# KiCad board st225_20427.kicad_pcb (continued)
## Routing (per net, layer and track width the routed paths; a pad name or vN(x,y) marks a point on that pad's centre or on a via; arc(x,y) is an arc through that point) (continued)
P1.4: length 125.2
  Top w0.254: U1.6 11.93,78.87 10.41,78.87 v1(10.16,79.12) ; v1(59.94,117.6) 58.17,119.38 U21.23
  Bottom w0.254: v1(59.94,117.6) 61.34,119 61.85,119 64.13,116.71 64.13,109.35 51.18,96.39 51.18,65.53 50.55,64.9 25.78,64.9 23.88,62.99 13.08,62.99 11.43,64.64 11.43,77.85 v1(10.16,79.12)
P1.5: length 212.1
  Top w0.254: v1(14.73,18.67) 10.8,14.74 J9.5 ; U21.22 58.8,120.65 v1(59.94,119.51) ; v1(6.35,63.75) 7.37,64.77 7.37,69.6 8,70.23 8,75.95 9.02,76.96 U1.7 ; v1(6.98,38.35) v1(3.43,40.77)
  Bottom w0.254: v1(3.43,40.77) 1.52,42.67 1.52,46.86 3.94,49.28 3.94,61.34 v1(6.35,63.75) ; v1(14.73,18.67) 14.1,19.3 14.1,20.07 12.7,21.46 12.7,23.5 14.99,25.78 14.99,28.19 11.18,32 11.18,33.66 6.98,37.85 v1(6.98,38.35) 5.59,39.75 5.59,44.2 7.37,45.97 7.37,48.51 9.14,50.29 9.14,53.59 10.92,55.37 10.92,61.47 11.68,62.23 24.13,62.23 26.16,64.26 51.31,64.26 51.69,64.64 51.69,95.63 64.64,108.59 64.64,116.97 62.1,119.51 v1(59.94,119.51)
P1.6: length 211.2
  Top w0.254: v1(8.38,39.62) v1(3.43,42.67) ; v1(6.35,61.85) 7.87,63.37 7.87,68.83 8.64,69.6 8.64,74.93 9.4,75.69 U1.8 ; v1(16.64,18.54) 16.38,18.54 12.94,15.1 J9.3 ; v1(60.83,120.78) 59.56,120.78 58.42,121.92 U21.21
  Bottom w0.254: v1(60.83,120.78) 61.47,120.78 65.28,116.97 65.28,108.46 52.2,95.38 52.2,64.01 51.82,63.63 26.42,63.63 24.38,61.59 12.19,61.59 11.56,60.96 11.56,55.12 9.58,53.14 9.58,50.11 9.65,50.04 7.87,48.26 7.87,45.34 6.35,43.82 6.35,41.66 v1(8.38,39.62) 8.38,38.61 11.94,35.05 11.94,32.13 15.49,28.58 15.49,25.65 13.34,23.5 13.34,22.1 14.6,20.83 14.6,20.32 16.38,18.54 v1(16.64,18.54) ; v1(3.43,42.67) 2.03,44.07 2.03,46.48 4.45,48.9 4.45,59.94 v1(6.35,61.85)
P1.7: length 208.6
  Top w0.254: U21.20 58.8,123.19 v1(59.94,122.05) ; v1(8.38,41.4) v1(3.43,44.58) ; J9.1 18.54,17.8 v1(18.54,19.18) ; U1.9 9.78,74.42 9.27,73.91 9.27,69.09 8.38,68.2 8.38,61.98 v1(6.35,59.94)
  Bottom w0.254: v1(59.94,122.05) 60.96,122.05 65.79,117.22 65.79,107.95 52.71,94.87 52.71,63.5 52.32,63.12 26.67,63.12 24.51,60.96 12.57,60.96 12.06,60.45 12.06,54.74 10.16,52.83 10.16,49.91 8.51,48.26 8.51,44.96 7.11,43.56 7.11,42.67 v1(8.38,41.4) 11.05,38.74 11.05,36.83 12.57,35.31 12.57,32.26 16,28.83 16,25.27 13.97,23.24 13.97,22.61 15.37,21.21 15.37,20.45 16,19.81 17.91,19.81 v1(18.54,19.18) ; v1(6.35,59.94) 5.21,58.8 5.21,48.77 3.43,46.99 v1(3.43,44.58)
RDREFCLK: length 178.1
  Top w0.254: U5.30 19.69,39.75 v1(19.94,39.5) ; v1(105.54,122.05) 105.54,122.17 104.14,123.57 U8.21 ; v1(91.44,46.48) 91.44,57.53 v1(91.69,57.79)
  Bottom w0.254: v1(91.44,46.48) 91.06,46.86 80.77,46.86 78.61,44.7 52.71,44.7 50.16,47.24 46.99,47.24 42.93,51.31 33.02,51.31 30.35,53.98 26.42,53.98 20.95,48.51 20.95,42.04 19.94,41.02 v1(19.94,39.5) ; v1(91.69,57.79) 91.69,84.71 91.06,85.34 91.06,89.54 89.53,91.06 89.53,96.65 88.26,97.92 88.26,104.14 93.73,109.6 93.73,112.4 103.38,122.05 v1(105.54,122.05)
RGATE2: length 196.5
  Top w0.254: v1(104.39,130.3) 103.76,129.67 103.76,128.91 103.5,128.65 U8.25 ; v1(57.4,51.44) 57.28,51.56 v1(57.28,56.13) ; U26.1 v1(120.27,124.46) ; U5.15 v1(20.95,55.5)
  Bottom w0.254: 101.98,130.81 101.98,128.02 100.08,126.11 100.08,124.97 100.58,124.46 106.43,124.46 108.58,122.3 115.32,122.3 117.47,124.46 v1(120.27,124.46) ; 101.98,130.81 103.89,130.81 v1(104.39,130.3) ; 101.98,130.81 94.36,130.81 93.85,130.3 93.85,127.76 96.39,125.22 96.39,119.13 90.81,113.54 90.81,111.76 90.42,111.38 79.88,111.38 79.38,111.89 74.04,111.89 73.03,112.9 71.37,112.9 68.58,110.11 68.58,108.2 59.05,98.68 59.05,95.63 56.51,93.09 56.51,56.9 v1(57.28,56.13) ; v1(57.4,51.44) 56.26,51.44 54.86,52.83 47.37,52.83 44.45,55.75 34.16,55.75 32,57.91 23.37,57.91 v1(20.95,55.5)
RPULL: length 24.5
  Top w0.254: 21.97,131.44 21.84,131.32 20.95,131.32 20.7,131.06 U24.1 19.39,128.44 v1(18.8,129.03) ; 21.97,131.44 22.1,131.32 24.51,131.32 ; 21.97,131.44 U24.13 ; 24.51,131.32 U24.4 ; 24.51,131.32 26.54,131.32 28.19,129.67 29.08,129.67 29.72,129.03 29.72,125.98 30.51,125.2 R25.1
WCURR0: length 69.2
  Top w0.254: v1(49.15,108.46) 48.01,107.32 42.16,107.32 41.27,108.2 U4.9 ; v1(67.69,144.78) 67.82,144.65 70.87,144.65 71.37,145.16 U22.13
  Bottom w0.254: v1(49.15,108.46) 49.15,109.09 45.47,112.78 45.47,113.92 49.28,117.73 49.28,122.68 49.78,123.19 49.78,136.78 50.42,137.41 57.79,137.41 60.83,140.46 64.01,140.46 67.69,144.15 v1(67.69,144.78)
WCURR1: length 153.4
  Top w0.254: U4.19 28.96,99.31 22.86,105.41 21.59,105.41 20.95,104.78 v1(19.43,104.78) ; v1(80.39,141.61) 80.9,141.1 80.9,137.92 81.28,137.54 82.3,137.54 ; v1(33.66,111.12) 33.78,111.25 35.81,111.25 36.45,111.89 36.45,112.78 37.46,113.79 38.35,113.79 38.68,113.46 40.94,113.46 43.31,115.82 v1(50.42,115.82)
  Bottom w0.254: v1(33.66,111.12) 33.02,111.12 28.83,106.93 26.92,106.93 26.03,107.82 19.81,107.82 19.43,107.44 v1(19.43,104.78) ; v1(50.42,115.82) 49.91,116.33 49.91,122.3 50.29,122.68 50.29,136.27 50.8,136.78 53.34,136.78 57.28,132.84 57.28,130.43 56.77,129.92 56.77,129.03 57.28,128.52 64.26,128.52 65.02,129.29 65.02,132.21 63.75,133.48 63.75,136.4 72.95,145.59 72.95,154.23 74.55,155.83 75.95,155.83 76.58,155.19 76.58,147.96 77.72,146.81 77.72,144.02 76.2,142.49 76.2,141.35 76.58,140.97 79.76,140.97 v1(80.39,141.61)
WGATE2: length 275
  Top w0.254: v1(59.18,56.13) 59.31,56.01 v1(59.31,51.44) ; v1(54.48,116.46) 54.48,113.28 53.72,112.52 53.72,109.22 53.09,108.59 53.09,107.7 53.98,106.81 54.86,106.81 55.37,107.32 71.63,107.32 71.88,107.06 73.41,107.06 73.79,107.44 73.79,108.97 72.64,110.11 v1(72.64,111.25) ; v1(39.88,135.25) 38.61,136.53 36.45,136.53 35.31,137.67 33.78,137.67 33.4,137.29 33.4,135.76 34.67,134.49 U13.12 ; v1(19.05,55.63) 19.69,56.26 U5.16 ; v1(51.82,120.65) 50.93,121.54 v1(44.07,121.54) ; v1(123.32,123.32) 125.86,125.86 U25.13 ; U8.27 100.33,128.65 v1(100.58,128.4)
  Bottom w0.254: v1(19.05,55.63) 21.97,58.55 32.13,58.55 34.42,56.26 45.34,56.26 48.01,53.59 54.86,53.59 55.75,52.71 58.04,52.71 v1(59.31,51.44) ; v1(123.32,123.32) 119.63,123.32 119.13,123.83 117.73,123.83 115.57,121.67 108.46,121.67 106.3,123.83 100.2,123.83 99.57,124.46 99.57,127.38 v1(100.58,128.4) 100.33,128.4 98.42,130.3 95.12,130.3 94.49,129.67 94.49,127.89 97.03,125.35 97.03,119 91.39,113.36 91.39,111.51 90.5,110.62 79.88,110.62 79.25,111.25 v1(72.64,111.25) 70.74,111.25 69.34,109.86 69.34,108.08 59.82,98.55 59.82,95.38 57.28,92.84 57.28,58.04 v1(59.18,56.13) ; v1(54.48,116.46) 54.48,117.98 v1(51.82,120.65) ; v1(44.07,121.54) 44.07,128.14 42.93,129.29 42.93,132.21 v1(39.88,135.25)
WRITE_OK: length 100.1
  Top w0.254: v1(115.82,166.37) 116.2,166.37 117.86,164.71 118.59,164.71 119.38,165.5 U33.10 ; v1(68.96,120.65) 68.96,118.62 70.74,116.84 U21.43
  Bottom w0.254: v1(115.82,166.37) 115.82,163.32 114.55,162.05 112.78,162.05 111.63,163.19 107.82,163.19 105.28,165.74 95.38,165.74 91.44,161.8 91.44,159.39 87.76,155.7 87.76,147.57 80.65,140.46 73.66,140.46 71.12,137.92 69.85,137.92 69.47,137.54 69.47,127.25 71.37,125.35 71.37,121.54 70.48,120.65 v1(68.96,120.65)
WRT_OK: length 106.5
  Top w0.254: v1(70.74,139.19) 69.6,138.05 69.6,135.13 69.09,134.62 61.98,134.62 61.34,135.25 61.34,136.02 59.44,137.92 47.37,137.92 44.96,140.34 43.69,140.34 43.05,139.7 43.05,138.3 v1(44.2,137.16) ; v1(70.23,121.92) 70.23,118.87 70.99,118.11 U21.44 ; U22.12 73.15,146.43 74.55,147.83 v1(74.55,148.72) ; 38.48,120.1 38.48,119.51 38.86,119.13 40.51,119.13 40.89,119.51 v1(40.89,120.9)
  Bottom w0.254: v1(74.55,148.72) 76.96,146.3 76.96,144.02 75.56,142.62 75.56,141.73 74.93,141.1 72.64,141.1 v1(70.74,139.19) 70.1,139.19 68.83,137.92 68.83,126.62 70.23,125.22 v1(70.23,121.92) ; v1(40.89,120.9) 40.89,120.4 41.53,119.76 44.32,119.76 45.09,120.52 45.09,136.27 v1(44.2,137.16)
~{DC_UNSAFE}: length 83.6
  Top w0.254: U33.25 125.73,156.21 125.22,156.72 124.46,156.72 123.06,158.12 123.06,159.26 121.54,160.78 v1(121.54,161.04) ; v1(71.5,134.62) 71.5,133.2 R18.1
  Bottom w0.254: v1(121.54,161.04) 121.28,161.04 119.63,162.69 116.59,162.69 115.32,161.42 112.52,161.42 111.38,162.56 107.06,162.56 104.65,164.97 95.63,164.97 91.95,161.29 91.95,159.13 88.52,155.7 88.52,147.19 81.28,139.95 74.17,139.95 72.01,137.8 72.01,135.13 v1(71.5,134.62)
~{HDSEL1}: length 151.6
  Top w0.254: U22.17 73.28,140.08 74.17,140.97 75.18,140.97 75.82,141.61 v1(75.82,144.27) ; U1.2 17.4,76.58 v1(17.27,76.45) ; U21.27 57.4,114.3 57.91,113.79 59.18,113.79 v1(59.31,113.67) 59.56,113.41 62.23,113.41 62.61,113.79 63.75,113.79 66.29,116.33 66.29,124.33 v1(67.06,125.1)
  Bottom w0.254: v1(75.82,144.27) 72.77,144.27 67.44,138.94 67.44,127.89 67.06,127.51 v1(67.06,125.1) ; v1(17.27,76.45) 17.27,74.93 15.88,73.53 15.88,71.25 14.1,69.47 14.1,65.66 14.6,65.15 22.86,65.15 25.02,67.31 48.51,67.31 48.9,67.69 48.9,97.79 59.31,108.2 v1(59.31,113.67)
~{HDSEL2}: length 150
  Top w0.254: U22.16 73.53,141.35 v1(74.55,142.37) ; v1(15.88,75.18) 16.13,75.44 U1.3 ; v1(65.02,125.1) 65.02,116.08 63.37,114.43 v1(61.21,114.43) 60.71,114.94 58.42,114.94 57.79,115.57 U21.26
  Bottom w0.254: v1(61.21,114.43) 61.21,109.22 49.4,97.41 49.4,67.18 48.9,66.68 25.15,66.68 23.11,64.64 14.22,64.64 13.34,65.53 13.34,69.72 15.24,71.63 15.24,74.55 v1(15.88,75.18) ; v1(65.02,125.1) 66.17,123.95 67.31,123.95 68.2,124.84 68.2,138.56 72.01,142.37 v1(74.55,142.37)
~{MCU_RD}: length 186.3
  Top w0.254: U1.19 13.59,64.01 15.75,66.17 v1(16.13,66.17) ; 29.22,22.11 29.21,22.11 ; 29.22,22.11 29.59,22.48 30.1,22.48 30.73,23.11 31.88,23.11 v1(33.02,24.26) ; 29.22,22.11 28.83,21.72 U6.18 ; v1(47.62,68.45) 46.86,67.69 46.86,53.21 v1(42.04,48.39) ; v1(41.02,90.81) 42.16,89.66 46.61,89.66 v1(47.75,88.52) ; v1(25.4,44.07) 26.03,43.43 U5.35 ; v1(34.42,126.62) 34.29,126.62 33.4,127.51 U13.2
  Bottom w0.254: v1(42.04,48.39) 40.89,49.53 33.02,49.53 32,48.51 26.67,48.51 25.02,46.86 25.02,44.45 v1(25.4,44.07) 25.4,43.31 32.38,36.32 32.38,24.89 v1(33.02,24.26) ; v1(16.13,66.17) 16.51,65.79 22.48,65.79 24.51,67.82 46.99,67.82 v1(47.62,68.45) 48.13,68.96 48.13,88.14 v1(47.75,88.52) ; v1(41.02,90.81) 39.75,92.08 39.75,114.17 37.46,116.46 37.46,125.35 38.35,126.24 38.35,127.13 37.72,127.76 35.69,127.76 34.54,126.62 v1(34.42,126.62)
~{MCU_WR}: length 216.1
  Top w0.254: v1(10.54,109.86) 10.54,107.89 ; v1(34.29,22.99) 33.66,22.35 30.61,22.35 30.1,21.84 U6.19 ; 33.4,120.1 33.4,119.25 33.02,118.87 30.73,118.87 v1(29.97,119.63) ; v1(16.51,67.95) 15.62,67.95 12.32,64.64 U1.18 ; v1(47.12,70.23) 48.01,70.23 49.15,69.09 49.15,67.44 47.5,65.79 47.5,51.44 43.31,47.24 v1(43.31,46.99) ; v1(25.91,45.85) 25.02,45.85 24.38,45.21 24.38,43.31 24.77,42.93 U5.34
  Bottom w0.254: v1(34.29,22.99) 34.29,24.51 33.02,25.78 33.02,36.58 26.67,42.93 26.67,45.09 v1(25.91,45.85) 27.94,47.88 32.64,47.88 33.78,49.02 38.1,49.02 39.62,47.5 42.8,47.5 v1(43.31,46.99) ; v1(29.97,119.63) 32.13,119.63 33.78,117.98 33.78,113.92 29.46,109.6 14.6,109.6 12.83,111.38 12.06,111.38 v1(10.54,109.86) 9.52,108.84 9.52,82.42 12.57,79.38 17.27,79.38 18.54,78.11 18.54,75.44 16.51,73.41 16.51,70.99 16,70.49 16,68.45 v1(16.51,67.95) 18.16,66.29 22.23,66.29 24.38,68.45 44.32,68.45 46.1,70.23 v1(47.12,70.23)
~{SRST}: length 352.1
  Top w0.254: U1.15 10.03,66.8 9.4,66.17 9.4,58.8 v1(6.6,56.01) ; v1(39.62,123.44) 37.21,121.03 37.21,119.63 38.23,118.62 41.15,118.62 42.54,120.02 50.67,120.02 v1(51.82,118.87) ; U13.9 v1(38.48,131.44) ; v1(78.87,96.65) v1(78.87,109.98) ; v1(70.87,97.16) 63.88,97.16 62.74,96.01 62.74,94.11 60.71,92.08 60.71,89.66 59.94,88.9 58.67,88.9 57.53,90.04 47.62,90.04 v1(47.12,90.55) ; v1(123.95,128.27) U26.4
  Bottom w0.254: v1(78.87,96.65) 78.36,97.16 v1(70.87,97.16) ; v1(6.6,56.01) 8.76,58.17 8.76,72.39 6.86,74.3 6.86,94.11 5.84,95.12 5.84,112.14 5.21,112.78 5.21,132.46 7.62,134.87 16.51,134.87 17.27,134.11 21.84,134.11 23.75,132.21 25.27,132.21 28.07,129.41 29.84,129.41 30.73,130.3 30.73,132.46 31.62,133.35 33.27,133.35 34.42,132.21 37.59,132.21 38.35,131.44 v1(38.48,131.44) 40.64,131.44 41.27,130.81 41.27,128.52 41.66,128.14 41.66,125.48 v1(39.62,123.44) ; v1(47.12,90.55) 48.26,91.69 48.26,98.3 49.91,99.95 49.91,104.78 51.31,106.17 54.23,106.17 56.9,108.84 56.9,112.52 51.82,117.6 v1(51.82,118.87) ; v1(123.95,128.27) 122.68,127 122.68,125.48 123.19,124.97 124.59,124.97 125.86,126.24 125.86,129.79 126.75,130.68 128.14,130.68 128.78,130.05 128.78,127.64 125.22,124.08 125.22,123.7 123.57,122.05 120.01,122.05 118.87,123.19 117.98,123.19 115.95,121.16 108.08,121.16 106.04,123.19 99.69,123.19 99.06,123.83 99.06,128.91 98.3,129.67 95.63,129.67 95,129.03 95,128.14 97.54,125.6 97.54,118.49 91.82,112.78 91.82,111 90.81,109.98 v1(78.87,109.98)
~{SYSRST}: length 312.4
  Top w0.254: U21.35 65.79,109.73 64.64,108.59 56.26,108.59 v1(55.37,109.47) ; v1(2.54,49.15) 4.95,49.15 8.51,52.71 8.51,54.74 11.56,57.79 13.84,57.79 16.26,60.2 22.73,60.2 23.49,59.44 U5.13 ; U6.14 26.34,26.16 25.83,25.65 25.83,20.12 v1(24.89,19.18) ; v1(47.37,96.52) 44.58,96.52 43.56,95.5 v1(42.67,95.5) ; v1(17.4,136.53) 17.4,128.4 18.67,127.13 20.83,127.13 21.59,126.37 24.13,126.37 v1(24.77,125.73) ; 32.13,115.1 32.13,115.7 v1(30.73,117.09)
  Bottom w0.254: v1(24.89,19.18) 22.48,19.18 19.43,16.13 13.08,16.13 12.19,17.02 12.19,19.56 10.54,21.21 10.54,22.99 8.25,25.27 8.25,26.67 9.52,27.94 9.52,32.77 1.02,41.28 1.02,47.62 v1(2.54,49.15) 3.43,50.04 3.43,62.61 5.84,65.02 5.84,90.81 4.45,92.2 4.45,110.24 3.17,111.51 3.17,132.33 6.98,136.14 17.02,136.14 v1(17.4,136.53) ; v1(55.37,109.47) 55.37,108.01 54.17,106.81 50.55,106.81 49.4,105.66 49.4,100.71 47.37,98.68 v1(47.37,96.52) ; v1(30.73,117.09) 30.61,117.09 24.77,122.94 v1(24.77,125.73) 29.34,125.73 32.64,129.03 38.61,129.03 40.56,127.08 40.56,126.03 40.13,125.6 38.61,125.6 38.1,125.1 38.1,119.76 39.75,118.11 39.75,116.84 39.5,116.59 39.5,115.7 40.97,114.22 40.97,97.21 v1(42.67,95.5)
~{WAM}/~{AMD}: length 177.4
  Top w0.254: U8.3 95.25,129.29 v1(96.27,128.27) ; v1(22.23,39.62) U5.32 ; v1(88.52,44.45) 88.52,57.02 v1(87.63,57.91)
  Bottom w0.254: v1(22.23,39.62) 22.23,48.26 26.8,52.83 29.84,52.83 32.51,50.17 42.16,50.17 46.48,45.85 49.28,45.85 51.69,43.43 83.69,43.43 84.71,44.45 v1(88.52,44.45) ; v1(87.63,57.91) 90.17,60.45 90.17,84.46 89.79,84.84 89.79,88.39 88.39,89.79 88.39,95.89 87,97.28 87,104.78 92.46,110.24 92.46,112.78 97.97,118.29 97.97,126.57 v1(96.27,128.27)
~{WRT_FAULT}: length 97.2
  Top w0.254: U33.24 124.46,155.96 121.79,158.62 v1(121.54,158.62) ; v1(75.18,124.46) 75.18,122.68 73.15,120.65 U21.2
  Bottom w0.254: v1(121.54,158.62) 121.41,158.75 121.41,159.64 119,162.05 116.97,162.05 115.82,160.91 112.14,160.91 111.12,161.93 106.68,161.93 104.27,164.34 95.88,164.34 92.46,160.91 92.46,158.75 89.15,155.45 89.15,140.34 86.36,137.54 73.79,137.54 73.03,136.78 73.03,126.62 v1(75.18,124.46)
Net-(C3-Pad1): length 9.8
  Top w0.254: L2.2 109.73,177.81 ; 109.73,177.81 C3.1 ; 109.73,177.81 112.65,177.81 L4.1
Net-(C3-Pad2): length 9.4
  Top w0.254: 109.73,168.78 107.07,168.78 L1.2 ; 109.73,168.78 112.26,168.78 L3.1 ; 109.73,168.78 C3.2
Net-(C4-Pad2): length 4.6
  Top w0.254: R1.2 100.18,167.83 C4.2
Net-(C5-Pad2): length 5
  Top w0.254: C5.2 103.29,174.71 100.18,177.83 R2.2
Net-(C9-Pad1): length 2.3
  Top w0.508: L5.1 128.01,170.79 C9.1
Net-(C9-Pad2): length 2.2
  Top w0.508: R4.1 127.64,172.87 C9.2
Net-(C17-Pad2): length 55.7
  Top w0.254: v1(113.92,163.19) 113.92,161.54 114.81,160.66 U33.15 ; R9.1 114.15,188.37 115.19,187.33 118.49,187.33 119.16,186.65 C17.2 R10.2 122.71,183.92 v1(122.94,184.15)
  Bottom w0.254: v1(122.94,184.15) 124.97,186.18 124.97,187.96 124.21,188.72 122.43,188.72 117.35,183.64 117.35,168.15 116.84,167.64 114.68,167.64 113.79,166.75 113.79,163.32 v1(113.92,163.19)
Net-(C20-Pad2): length 33.3
  Top w0.254: C20.2 113.69,52.94 111.89,54.74 108.84,54.74 107.44,56.13 107.44,59.94 106.3,61.09 104.9,61.09 104.52,61.47 104.52,64.14 103.12,65.53 103.12,70.49 v1(104.39,71.76) 106.04,70.1 108.69,70.1 R26.1
Net-(C44-Pad1): length 4.4
  Top w0.254: R80.1 101.32,137.26 v1(101.22,137.16) 99.57,137.16 99.31,136.91 C44.1
Net-(C50-Pad2): length 5
  Top w0.254: R81.2 102.84,158.75 v1(101.35,158.75) 101.35,158.85 C50.2
Net-(CR2-K): length 25.9
  Top w0.508: v1(104.14,68.71) 106.3,68.71 106.43,68.58
  Top w0.762: R91.2 117.22,61.09 118.36,62.23 118.36,66.55 116.97,67.95 Q5.1
  Top w1.016: CR2.1 Q5.1
  Bottom w1.016: CR2.1 113.28,66.8 109.09,66.8 107.19,68.71 v1(104.14,68.71)
Net-(CR3-K): length 81.4
  Top w0.508: Q3.1 115.02,96.67 114.17,96.67 ; Q1.1 114.4,78.23 R20.1
  Top w0.762: v2(128.52,109.6) 135.25,109.6
  Bottom w0.508: v2(128.52,109.6) 124.84,109.6 124.33,109.09 122.17,109.09 121.54,109.73 115.19,109.73 111.12,113.79 108.71,113.79 107.06,112.14 107.06,108.59 107.7,107.95
  Bottom w1.27: 107.7,107.95 116.97,98.68 Q3.1 115.19,98.68 111.89,95.38 111.89,85.85 113.16,84.58 113.16,79.5 114.43,78.23 Q1.1
Net-(D1-A): length 5.5
  Top w0.254: R54.1 114.23,191.96 D1.2
Net-(D1-K): length 10.1
  Top w0.254: R53.2 114.15,182.27 112.65,183.77 112.65,186.06 111.76,186.94 109.98,186.94 D1.1
Net-(J1-Pin_2): length 15.5
  Top w0.254: U32.1 87.72,170.98 83.57,175.13 83.57,177.42 81.66,179.32 81.66,182.3 82.81,183.45
Net-(J1-Pin_4): length 15.5
  Top w0.254: 85.35,183.45 84.2,182.3 84.2,175.39 87.5,172.09 88.52,172.09 89.03,171.58 U32.2
Net-(J1-Pin_6): length 8.4
  Top w0.254: 87.89,183.45 86.74,182.3 86.74,179.83 87.76,178.82 U32.16
Net-(J1-Pin_8): length 8.6
  Top w0.254: U32.15 89.03,176.15 88.39,176.78 88.39,178.94 89.28,179.83 89.28,182.3 90.43,183.45
Net-(J1-Pin_10): length 8.6
  Top w0.254: U32.14 90.3,178.56 91.82,180.09 91.82,182.3 92.97,183.45
Net-(J1-Pin_12): length 10.3
  Top w0.254: U32.13 91.57,176.4 91.06,176.91 91.06,178.31 92.07,179.32 93.47,179.32 94.36,180.21 94.36,182.3 95.51,183.45
Net-(J1-Pin_14): length 10
  Top w0.254: 98.05,183.45 96.9,182.3 96.9,180.21 96.27,179.58 95.63,179.58 92.84,176.78 U32.12
Net-(J1-Pin_16): length 11.3
  Top w0.254: U32.11 94.11,177.04 96.14,179.07 96.77,179.07 97.28,179.58 98.55,179.58 99.44,180.47 99.44,182.3 100.59,183.45
Net-(J9-Pin_2): length 144.4
  Top w0.254: v1(47.24,93.34) 57.53,93.34 v1(58.55,92.33) ; v1(45.09,29.34) 46.48,30.73 46.48,32 47.62,33.15 49.66,33.15 51.82,35.31 51.82,43.18 53.21,44.58 56.39,44.58 57.66,45.85 57.66,49.66 58.04,50.04 60.07,50.04 61.21,51.18 v1(61.21,55.88) ; 15.48,12.2 21.09,12.2 v1(21.72,12.83) ; v1(48.51,103.76) U20.4
  Bottom w0.254: v1(47.24,93.34) 46.1,94.49 46.1,98.93 48.51,101.35 v1(48.51,103.76) ; v1(21.72,12.83) 22.99,14.1 38.73,14.1 40.64,16 40.64,17.91 46.86,24.13 46.86,27.56 v1(45.09,29.34) ; v1(61.21,55.88) 57.91,59.18 57.91,91.69 v1(58.55,92.33)
Net-(J9-Pin_4): length 207.8
  Top w0.254: v1(77.85,19.05) 77.47,18.67 77.47,11.43 76.84,10.8 75.56,10.8 74.93,10.16 74.93,4.06 v1(75.06,3.94) ; 12.94,12.2 12.94,11.19 13.46,10.67 v1(16.64,6.6) ; v1(66.93,55.88) 68.2,54.61 68.2,41.15 v1(69.22,40.13) ; U20.10 49.78,110.49 51.31,108.97 51.31,108.2 53.98,105.54 55.88,105.54 56.39,106.05 70.36,106.05 v1(70.87,105.54)
  Bottom w0.254: v1(16.64,6.6) 20.57,2.67 73.79,2.67 v1(75.06,3.94) ; v1(69.22,40.13) 69.47,40.13 77.34,32.26 77.34,19.56 v1(77.85,19.05) ; v1(70.87,105.54) 69.98,105.54 64.9,100.46 64.9,95.12 61.21,91.44 61.21,89.15 59.94,87.88 59.94,62.87 v1(66.93,55.88)
Net-(J9-Pin_6): length 217.1
  Top w0.254: v1(80.14,3.94) 80.01,4.06 80.01,18.54 v1(79.5,19.05) ; v1(71.12,40.13) 68.96,42.29 68.96,55.75 v1(68.83,55.88) ; v1(73.15,105.54) 72.26,106.43 71.5,106.43 71.25,106.68 55.88,106.68 55.37,106.17 53.98,106.17 52.32,107.82 U20.8 ; 10.4,12.2 v1(14.73,6.6)
  Bottom w0.254: v1(71.12,40.13) 71.25,40.13 78.49,32.89 78.49,20.07 v1(79.5,19.05) ; v1(68.83,55.88) 60.58,64.14 60.58,87.38 61.85,88.65 61.85,91.06 65.53,94.74 65.53,100.33 69.72,104.52 72.14,104.52 v1(73.15,105.54) ; v1(80.14,3.94) 79.5,3.94 76.84,1.27 20.07,1.27 v1(14.73,6.6)
Net-(JP1-B): length 7.6
  Top w0.254: 119.13,120.1 119.13,119.13 119.38,118.87 120.78,118.87 121.79,119.89 123.57,119.89 JP1.2
Net-(JP2-A): length 4
  Top w0.254: R36.1 127.51,121.29 130.17,118.62
Net-(JP3-A): length 29.2
  Top w0.254: v1(80.9,124.59) 80.39,124.08 80.39,116.97 78.99,115.57 76.58,115.57 JP3.1 ; v1(94.36,121.67) 93.73,122.3 U8.10
  Bottom w0.254: v1(80.9,124.59) 81.53,123.95 92.07,123.95 v1(94.36,121.67)
Net-(L1-Pad1): length 5.7
  Top w0.254: L1.1 106.81,171.39 103.28,167.86 R1.1
Net-(L2-Pad1): length 5
  Top w0.254: R2.1 103.28,178.02 L2.1
Net-(Q1-B): length 12.2
  Top w0.762: Q1.3 115.12,73.66 112.65,73.66 110.74,71.76 110.74,66.68 110.49,66.42 R22.1
Net-(Q2-B): length 21.4
  Top w0.508: v1(105.54,93.98) 104.9,94.62 R69.2
  Top w0.762: Q2.3 113.25,84.43 R67.1 111.66,84.43 v1(110.24,85.85)
  Bottom w0.508: v1(110.24,85.85) 107.57,85.85 105.54,87.88 v1(105.54,93.98)
Net-(Q2-E): length 42.1
  Top w1.27: R23.1 115.29,108.74 116.33,107.7 Q4.1
  Bottom w1.27: Q2.1 114.55,87.12 113.41,88.27 113.41,90.93 114.05,91.57 118.36,91.57 119.63,92.84 119.63,106.81 118.75,107.7 Q4.1 112.9,107.7 R27.1
Net-(Q3-B): length 21.5
  Top w0.508: 117.03,93.6 117,93.57 R28.2 ; 114.68,80.14 113.92,80.14 113.1,80.96 113.1,81.03
  Top w1.016: 117.03,93.6 116.97,93.54 116.97,90.42 117.6,89.79 117.6,80.26 117.47,80.14 114.68,80.14
Net-(Q4-B): length 21.4
  Top w0.508: v1(101.73,94.11) 101.85,94.23 101.85,96.11 R70.2 ; R68.2 113.31,99.19 v1(111.38,99.19)
  Top w1.016: Q4.3 114.21,99.8 R68.2
  Bottom w0.508: v1(101.73,94.11) 106.81,99.19 v1(111.38,99.19)
Net-(Q5-B): length 37.8
  Top w0.508: Q6.2 103.95,52.64 103.12,53.47
  Top w0.762: Q5.3 115.06,61.66 115.06,58.52 R91.1
  Top w1.016: v1(99.95,61.59) 99.31,60.96 99.31,55.5 101.35,53.47 103.12,53.47
  Bottom w1.27: Q5.3 115,61.59 v1(99.95,61.59)
Net-(Q6-B): length 41.9
  Top w0.254: Q6.1 105.22,50.74 106.17,51.69 106.17,53.21 105.79,53.59 105.03,53.59 103.63,54.99 102.11,54.99 100.58,56.52 100.58,59.06 101.22,59.69 v1(101.22,73.66) 102.74,73.66 104.78,75.69 107.95,75.69 109.75,73.89 R74.1
  Top w0.508: R76.1 R74.1
Net-(Q6-C): length 27.3
  Top w0.508: 111.63,48.9 v1(113.16,48.9) ; 111.63,48.9 R13.1 112.37,47.27 116.84,42.8 116.84,41.15 116.14,40.45 D2.1 ; 111.63,48.9 111.63,50.17 110.11,51.69 107.19,51.69 106.43,50.93 106.43,49.91 105.92,49.4 104.01,49.4 102.95,50.47 Q6.3
Net-(Q7-B): length 10.5
  Top w0.254: Q7.1 105.47,92.01 104.39,93.09 102.74,93.09 102.36,92.71 100.84,92.71 v1(99.44,94.11) 97.92,95.63 R73.2
Net-(Q7-C): length 4.8
  Top w0.508: Q7.3 104.52,87.78 R71.1 104.29,87.76 v1(101.85,87.76)
Net-(Q10-B): length 8.4
  Top w0.254: Q10.1 64.12,136.4 61.72,136.4 61.21,136.91 v1(61.21,139.06) 61.11,138.96 R60.1
Net-(Q10-E): length 4.5
  Top w0.254: Q10.2 65.09,138.62 v1(66.42,137.29) 67.82,135.89 R63.2
Net-(R12-Pad2): length 6.2
  Top w0.762: R12.2 54.23,186.56 53.85,186.18 53.85,185.42 v1(55.12,184.15) 54.48,183.52 54.48,182.14
Net-(R21-Pad2): length 6.4
  Top w0.508: R32.1 45.34,190.25 46.74,188.85 47.12,188.85 47.88,188.09 v1(48.13,188.09) 49,187.22 R21.2
Net-(R22-Pad2): length 7.4
  Top w0.254: R22.2 109.41,62.67 106.61,65.47 R65.1 106.23,65.47 105.79,65.91 v1(104.39,65.91)
Net-(R29-Pad2): length 5.4
  Top w0.508: v1(110.11,83.82) 110.17,83.76 110.17,81.03 R66.1
Net-(R39-Pad1):
  vias: v1(70.36,180.85)
Net-(R40-Pad2):
  vias: v1(66.55,172.72)
Net-(R43-Pad1):
  vias: v1(55.75,173.36)
Net-(R45-Pad2):
  vias: v1(55.63,175.9)
Net-(R50-Pad1):
  vias: v1(51.82,188.21)
Net-(R51-Pad2):
  vias: v1(43.05,188.6)
Net-(R53-Pad1): length 297.4
  Top w0.254: v1(65.66,34.93) 60.71,34.93 59.31,36.32 57.66,36.32 57.02,35.69 U16.3 57.02,33.15 56.26,32.39 54.86,32.39 54.36,31.88 51.69,31.88 51.05,31.24 51.05,28.58 49.68,27.2 R56.1 ; v1(85.85,102.36) 88.9,102.36 v1(89.41,102.87) ; v1(65.02,55.88) 64.13,54.99 64.13,40.77 v1(63.5,40.13) ; v1(115.82,180.34) 117.25,181.76 R53.1 117.47,182.22 117.47,185.32 R55.1
  Bottom w0.254: v1(89.41,102.87) 90.3,102.87 91.44,104.01 91.44,105.41 94.87,108.84 94.87,111.76 103.5,120.4 106.93,120.4 107.31,120.02 116.71,120.02 117.6,120.9 119,120.9 119.38,121.29 123.7,121.29 125.86,123.44 125.86,123.95 129.29,127.38 129.29,130.18 125.86,133.6 125.86,135.51 122.17,139.19 122.17,145.54 122.81,146.18 125.73,146.18 128.52,148.97 128.52,153.04 127.63,153.92 126.62,153.92 126.24,153.54 126.24,153.42 124.08,151.26 123.32,151.26 122.81,151.77 122.81,153.92 128.4,159.51 128.4,163.32 130.17,165.1 130.17,168.66 130.43,168.91 130.43,188.85 129.67,189.61 121.67,189.61 115.82,183.77 v1(115.82,180.34) ; v1(85.85,102.36) 85.85,99.82 85.34,99.31 83.95,99.31 83.19,100.08 83.19,104.14 84.58,105.54 84.58,107.7 83.95,108.33 82.42,108.33 81.66,107.57 79.12,107.57 78.49,106.93 70.48,106.93 64.13,100.58 64.13,95.76 60.58,92.2 60.58,89.79 59.31,88.52 59.31,61.59 v1(65.02,55.88) ; v1(63.5,40.13) 63.5,38.48 65.66,36.32 v1(65.66,34.93)
Net-(R59-Pad2): length 44.5
  Top w0.254: v1(48.01,112.14) 47.24,111.38 U20.12 ; v1(54.1,130.94) 54.86,130.94 58.55,134.62 R60.2 R59.2
  Bottom w0.254: v1(54.1,130.94) 54.1,130.81 51.05,127.76 51.05,122.68 50.42,122.05 50.42,118.11 56.01,112.52 56.01,111.38 55.5,110.87 49.28,110.87 v1(48.01,112.14)
Net-(R65-Pad2): length 12.6
  Top w0.254: 108.78,60.39 106.62,62.55 R65.2 ; 108.78,60.39 109.35,60.96 111.89,60.96 112.65,61.72 v1(112.65,64.14) ; 108.78,60.39 110.52,58.65 U27.3